# Allegro board BeagleBone_AI-64_Rev_B1_PCB_220602.brd (continued)
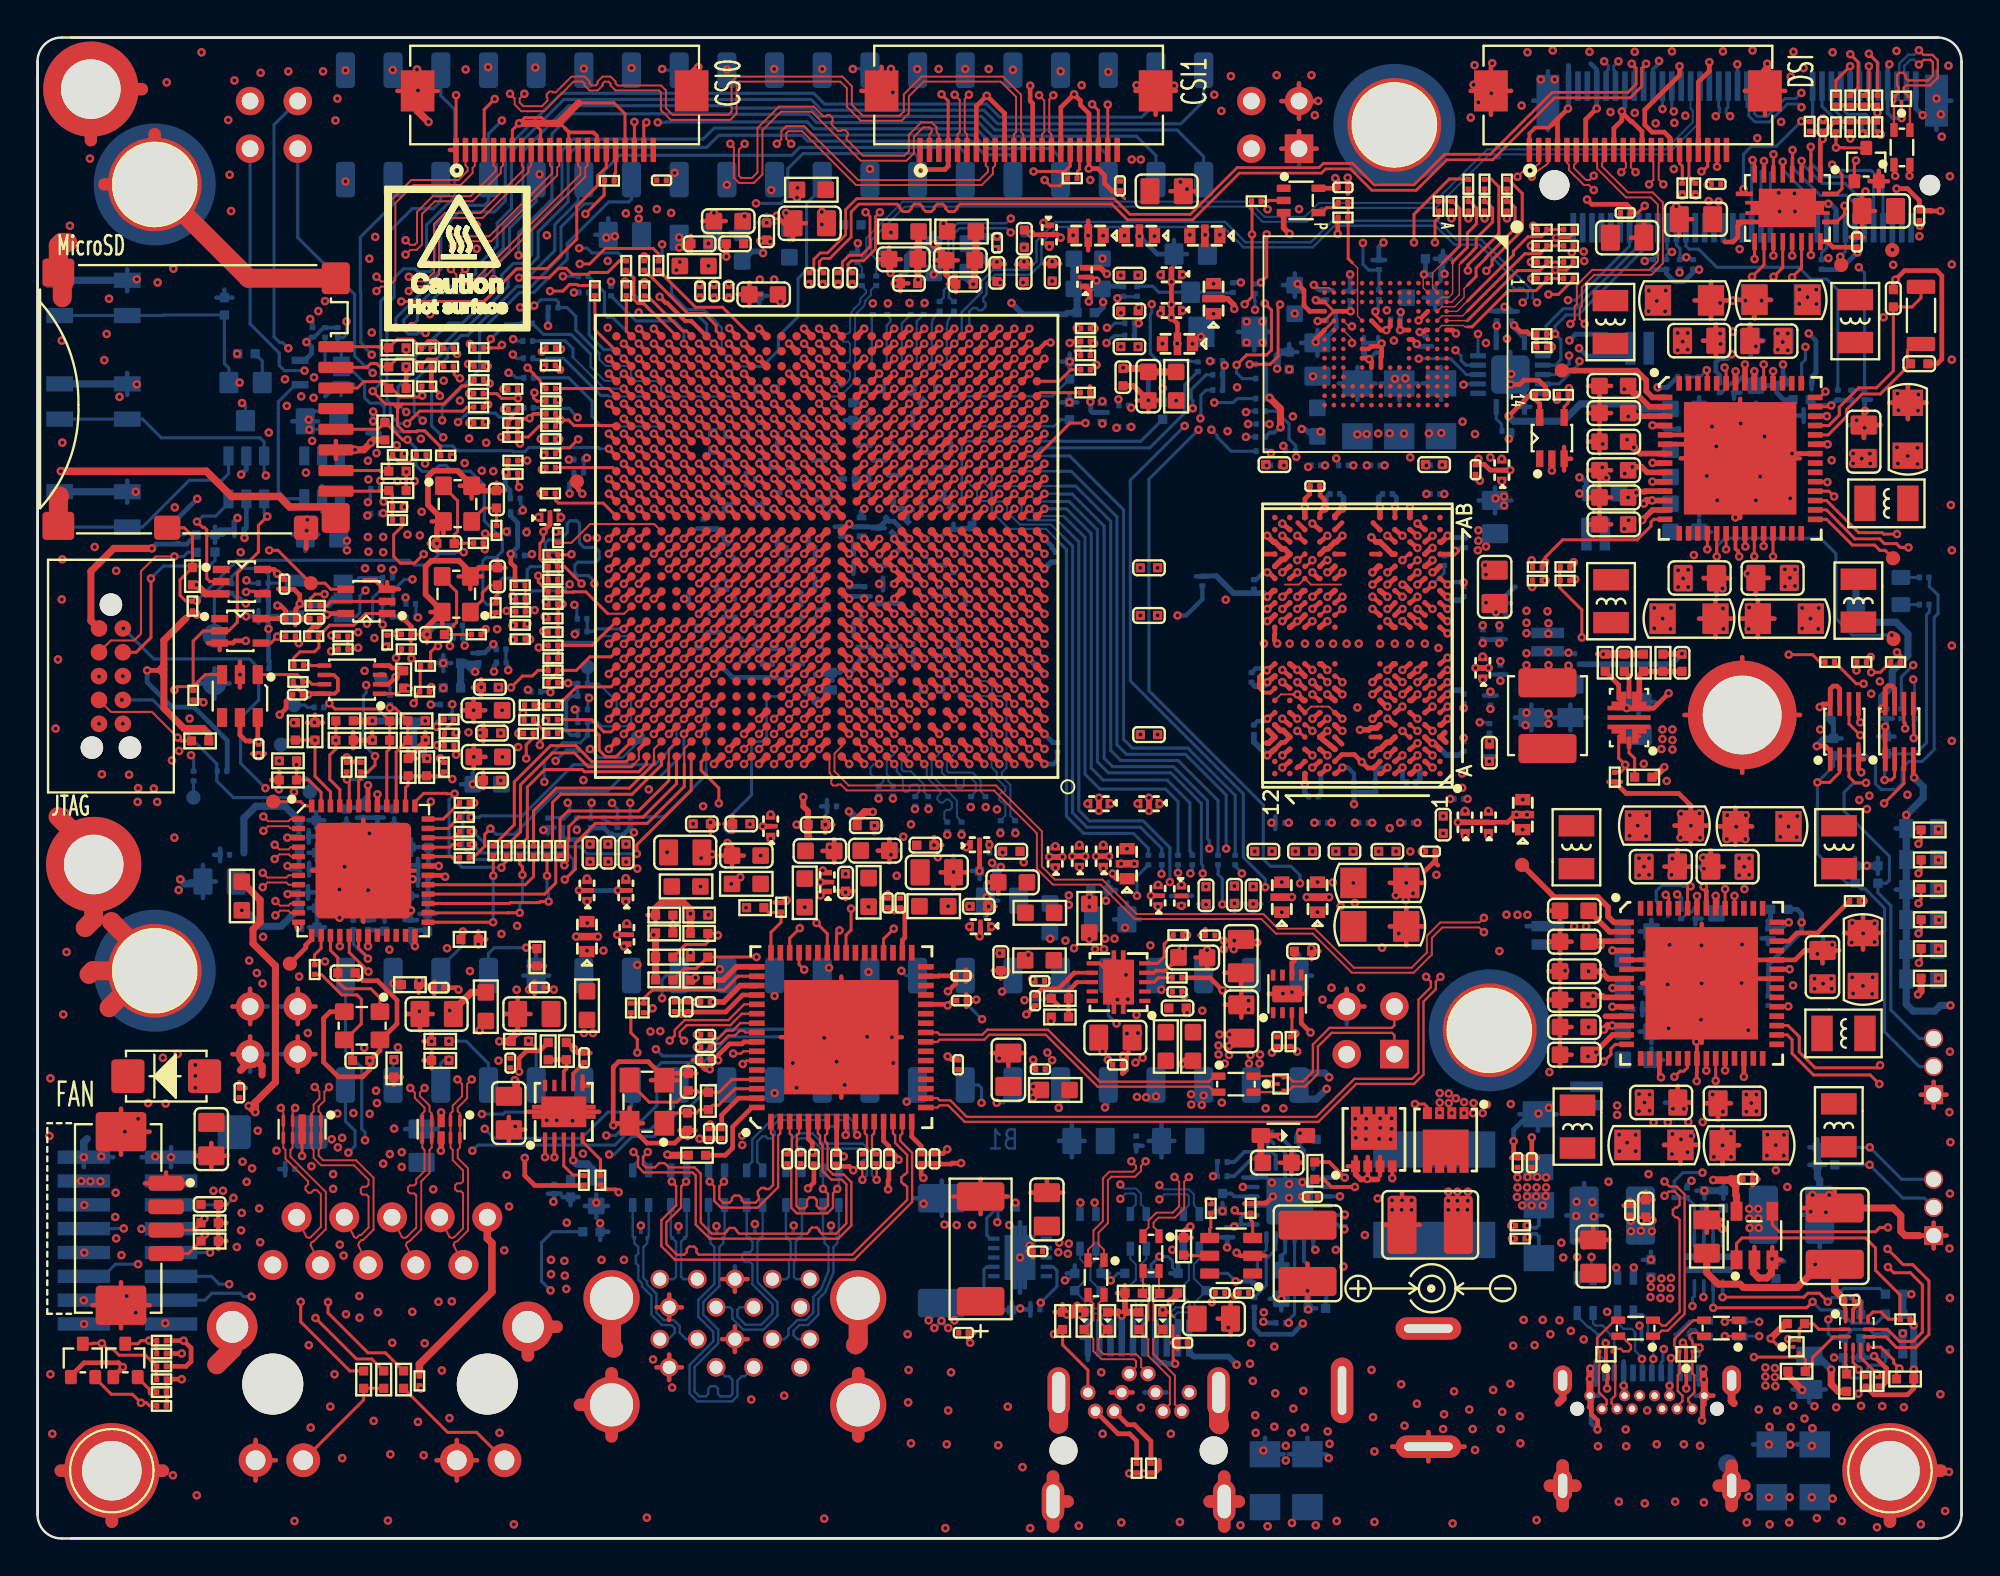
[diagram p0: board, top side]
## Copper pours and planes (outline as drawn; the poured copper is in the pictures) (continued)
GND on L7-PWR/GND: 7.29,41.24 3.2,41.24 2.56,41.88 2.56,52.67 3.38,53.48 3.38,66.79 4.54,67.96 8.38,67.96 10.11,69.69 10.11,77.82 10.79,78.5 20.93,78.5 21.05,78.38 21.05,78.02 7.95,64.91 7.95,41.9
GND on L7-PWR/GND: 9.24,26.59 3.12,26.59 1.7,25.16 1.7,10.63 2.08,10.25 7.59,10.25 8.35,11.01 8.35,12.44 8.86,12.95 10.64,12.95 11.3,13.61 11.3,16.17 10.01,17.47 10.01,25.82
GND on L7-PWR/GND: 81.2,55.77 50.9,55.77 50.26,55.13 50.26,44.75 51.94,43.07 81.51,43.07 82.14,43.7 82.14,54.83
GND on L8-PWR/GND: 64.59,4.61 65.38,3.83 78.61,3.83 79.35,4.56 79.35,8.86 80.03,9.54 82.04,9.54 82.45,9.14 82.45,5.05 82.93,4.56 88.49,4.56 89.05,5.12 89.05,8.75 89.84,9.54 90.98,9.54 91.39,9.14 91.39,4.92 91.87,4.44 94.97,4.44 95.48,4.94 95.48,5.99 96.26,6.77 101.01,6.77 101.88,7.64 101.88,9.74 101.32,10.3 65.23,10.3 64.59,9.67
GND on L8-PWR/GND: 74.24,57.45 73.23,57.45 68.86,53.08 43.71,53.08 41.45,50.82 41.45,37.2 42.09,36.57 49.99,36.57 63.96,50.54 75.41,50.54 76.02,51.15 76.02,55.67
GND on L8-PWR/GND: 101.29,79.57 102.18,78.68 102.18,72.58 101.9,72.31 91.03,72.31 90.85,72.48 90.85,74.62 87.98,77.49 79.35,77.49 77.21,75.35 76.12,75.35 75.74,75.73 75.74,78.93 76.38,79.57
GND on L8-PWR/GND: 50.54,18.33 27.4,18.33 26.87,17.8 26.87,16.02 28.32,14.57 45.46,14.57 46.1,13.94 46.1,3.52 46.53,3.09 52.4,3.09 52.83,3.52 52.83,9.16 53.26,9.59 55.14,9.59 58.11,6.62 59.61,6.62 60.86,7.87 60.86,10.58 56,15.43 53.44,15.43
GND on L8-PWR/GND: 68.02,72.61 41.86,72.61 37.39,77.08 17.68,77.08 15.72,75.12 11.53,75.12 10.87,75.78 10.87,77.74 11.5,78.38 67.97,78.38 68.58,77.77 68.58,73.17
GND on L8-PWR/GND: 3.12,26.59 1.7,25.16 1.7,10.63 2.08,10.25 6.07,10.25 6.58,10.76 6.58,12.41 10.01,15.84 10.01,17.62 10.82,18.43 12.67,18.43 13.92,19.68 13.92,26.25 13.66,26.51 13.23,26.51 12.27,27.47 12.27,28.59 11.71,29.15 9.88,29.15 7.31,26.59
GND on L9-PWR/GND: 76.5,79.57 101.29,79.57 102.18,78.68 102.18,7.79 101.06,6.67 96.77,6.67 96.37,7.08 96.37,12.39 94.16,14.6 92.48,14.6 92.33,14.75 92.33,17.11 92.89,17.67 97.86,17.67 100.3,20.11 100.3,26.94 101.45,28.08 101.45,33.01 99.24,35.22 95.81,35.22 95.15,35.88 95.15,45.86 96.31,47.03 96.31,50.74 94.16,52.9 91.44,52.9 91.08,53.26 91.08,56.63 91.82,57.37 97.1,57.37 99.39,59.66 99.39,69.66 95.93,73.12 76.1,73.12 75.69,73.52 75.69,78.76
GND on L9-PWR/GND: 10.06,77.72 10.06,69.26 8.74,67.94 4.32,67.94 3.58,67.2 3.58,51.27 3.91,50.94 15.57,50.94 15.95,51.32 15.95,67.73 25.37,77.16 60.73,77.16 62,75.89 68.78,75.89 68.91,76.01 68.91,78.12 68.58,78.45 10.79,78.45
GND on L11-GND: outline of 108 points within 1.7,2.81 102.21,79.59
GND on L13-GND: outline of 121 points within 1.7,2.81 102.21,79.59 ; 1 cut-out
GND_EARTH on TOP: outline of 96 points within 0.28,0.27 102.23,79.75
GND_EARTH on BOTTOM: 68.04,2.35 62.51,2.35 62.15,2 62.15,0.91 62.76,0.3 68.04,0.3 68.73,0.98 68.73,1.67
GND_EARTH on BOTTOM, L13-GND: outline of 82 points within 0.76,0.27 102.23,13.53
GND_EARTH on L2-GND: outline of 100 points within 0.28,0.27 102.23,79.75 ; 1 cut-out
GND_EARTH on L4-GND: outline of 100 points within 0.28,0.27 102.23,79.75 ; 1 cut-out
GND_EARTH on L6-GND: outline of 110 points within 0.28,0.27 102.23,79.75 ; 1 cut-out
GND_EARTH on L7-PWR/GND: 1.27,79.75 73.71,79.75 74.5,78.96 74.5,74.18 73.78,73.47 70.89,73.47 69.9,74.46 69.9,78.81 69.34,79.37 10.49,79.37 8.56,77.44 8.56,71.09 7.11,69.64 3.3,69.64 1.83,68.16 1.83,38.95 3.27,37.51 4.87,37.51 5.87,36.52 5.87,33.11 6.75,32.22 7.62,32.22 8.41,31.44 8.41,28.9 7.21,27.7 2.39,27.7 1.04,26.36 1.04,6.72 1.47,6.29 5.03,6.29 9.73,1.59 79.3,1.59 80.59,2.89 97.33,2.89 98.42,3.98 101.95,3.98 102.23,3.7 102.23,1.13 101.37,0.27 1.24,0.27 0.28,1.24 0.28,78.76 ; 1 cut-out
GND_EARTH on L8-PWR/GND: 1.27,79.75 73.71,79.75 74.5,78.96 74.5,74.18 73.78,73.47 70.89,73.47 69.9,74.46 69.9,78.81 69.34,79.37 10.49,79.37 8.56,77.44 8.56,71.09 7.11,69.64 3.3,69.64 1.83,68.16 1.83,38.95 3.27,37.51 4.87,37.51 5.87,36.52 5.87,33.11 6.75,32.22 7.62,32.22 8.41,31.44 8.41,28.9 7.21,27.7 2.39,27.7 1.04,26.36 1.04,6.72 1.47,6.29 5.03,6.29 9.73,1.59 79.3,1.59 80.59,2.89 97.18,2.89 98.27,3.98 101.95,3.98 102.23,3.7 102.23,1.13 101.37,0.27 1.24,0.27 0.28,1.24 0.28,78.76 ; 1 cut-out
GND_EARTH on L9-PWR/GND: 1.27,79.75 73.71,79.75 74.5,78.96 74.5,74.18 73.78,73.47 70.89,73.47 69.9,74.46 69.9,78.81 69.34,79.37 10.49,79.37 8.56,77.44 8.56,71.09 7.11,69.64 3.3,69.64 1.83,68.16 1.83,38.95 3.27,37.51 4.87,37.51 5.87,36.52 5.87,33.11 6.75,32.22 7.62,32.22 8.41,31.44 8.41,28.9 7.21,27.7 2.39,27.7 1.04,26.36 1.04,6.72 1.47,6.29 5.03,6.29 9.73,1.59 79.3,1.59 80.59,2.89 97.53,2.89 98.63,3.98 101.95,3.98 102.23,3.7 102.23,1.13 101.37,0.27 1.24,0.27 0.28,1.24 0.28,78.76 ; 1 cut-out
GND_EARTH on L11-GND: outline of 110 points within 0.28,0.27 102.23,79.75 ; 1 cut-out
V1V1_VDDUSB on TOP: 52.88,24.3 52.55,24.63 50.44,24.63 49.96,25.11 46.99,25.11 46.94,25.06 46.94,24.86 46.96,24.83 47.75,24.83 48.78,23.8 49.19,23.8 49.83,23.16 53.69,23.16 53.9,23.36 53.9,24.17 53.77,24.3
V1V1_VDDUSB on L3-SIGNAL: 53.29,23.11 53.29,24.15 49.1,28.34 49.1,29.15 48.84,29.4 48.05,29.4 46,27.35 40.79,27.35 38.99,25.54 38.99,24.12 37.26,22.39 37.26,20.82 38.25,19.83 46.05,19.83 47.6,21.38 51.56,21.38
V1V1_VDDUSB on L12-SIGNAL: 38.83,20.72 37.46,20.72 36.95,21.23 36.95,23.16 35.68,24.43 35.68,28.62 35.89,28.82 36.73,28.82 39.29,26.25 39.29,21.17
V3V3_DP0 on TOP: 62.63,14.37 61.64,14.37 61.19,13.91 61.19,12.49 61.14,12.44 61.14,9.8 60.96,9.62 60.96,7.61 61.16,7.41 61.52,7.41 61.77,7.66 61.77,9.06 62.15,9.44 62.15,11.83 62.84,12.51 62.84,14.16
V3V3_VDD33USB on TOP: 53.03,30.62 53.03,31.64 52.68,32 51.2,32 50.95,31.74 50.95,31.11 51.1,30.95 51.66,30.95 52.22,30.4 52.8,30.4
V3V3_VDD33USB on L10-SIGNAL: 45.79,32.83 45.79,32.45 42.19,28.85 34.44,28.85 33.93,28.34 33.93,25.47 35.61,23.79 35.61,21.56 37.03,20.13 50.39,20.13 50.82,20.57 50.82,26.41 53.08,28.67 53.08,31.21 52.53,31.77 48.82,31.77 46.84,33.75 45.57,33.75 45.41,33.6 45.41,33.21
VBUS_5V0_TYPEA on TOP: 49.45,11.6 49.17,11.32 49.17,10.76 49.07,10.66 47.29,10.66 47.01,10.94 47.01,13.15 47.27,13.4 51.56,13.4 51.69,13.28 51.69,11.88 51.41,11.6
VBUS_5V0_TYPEA on BOTTOM: 51.1,15.59 49.86,15.59 49.15,14.88 46.96,14.88 46.76,14.67 46.76,11.01 47.11,10.66 49.07,10.66 49.17,10.76 49.17,11.32 49.32,11.47 49.65,11.47 50.11,11.93 50.11,14.22 50.59,14.7 50.59,15.33 50.65,15.38 51.08,15.38 51.15,15.46 51.15,15.54
VBUS_5V0_TYPEA on L10-SIGNAL: 40.97,8.3 36.07,8.3 35.33,9.03 35.33,15.59 38.07,18.33 48.89,18.33 49.48,17.75 49.48,11.22 49.12,10.86 47.09,10.86 46.15,11.8 46.15,13.81 44.98,14.98 42.92,14.98 41.63,13.68 41.63,8.96
VDD1_LPDDR4_1V8_REG on TOP: 85.85,54.78 84.55,54.78 84.33,54.55 84.33,53.86 84.61,53.59 85.16,53.59 85.98,54.4 85.98,54.65
VDD1_LPDDR4_1V8_REG on BOTTOM: 85.62,54.5 83.49,54.5 83.26,54.27 83.26,52.75 83.49,52.52 84.2,52.52 85.72,54.04 85.72,54.4
VDD_1V1 on TOP: 55.45,23.33 55.45,24.63 53.92,26.15 53.64,26.15 53.57,26.08 53.57,24.78 53.8,24.55 54.38,24.55 54.56,24.38 54.56,23.31 54.68,23.18 55.29,23.18
VDD_1V1 on TOP: 56.46,29.25 55.42,29.25 55.29,29.13 55.29,26.84 57,25.14 57.25,25.14 57.38,25.26 57.38,25.82 57.05,26.15 57.05,27.45 56.49,28.01 56.49,28.69 56.44,28.74 55.88,28.74 55.85,28.77 55.85,29.02 55.88,29.05 56.44,29.05 56.49,29.1 56.49,29.23
VDD_1V1 on TOP: 30.33,26.74 30.33,27.45 29.84,27.93 29.08,27.93 28.85,27.7 28.85,26.74 29.06,26.53 30.12,26.53
VDD_1V1 on L3-SIGNAL: 56.89,26.2 53.67,26.2 53.44,25.98 53.44,25.04 53.85,24.63 53.85,22.57 51.97,20.69 47.8,20.69 46.38,19.27 37.97,19.27 30.02,27.22 28.83,27.22 28.65,27.04 28.65,23.69 35.43,16.91 49.55,16.91 50.39,17.75 53.06,17.75 56.56,21.25 56.56,24.5 57.25,25.19 57.25,25.85
VDD_2V5 on TOP: 60.25,25.85 58.65,25.85 58.29,25.49 58.29,25.16 58.52,24.93 60.27,24.93 60.45,25.11 60.45,25.65
VDD_2V5 on TOP: 27.05,23.87 26.49,23.87 25.8,23.18 24.56,23.18 24.31,23.44 24.31,24.86 24.64,25.19 27.46,25.19 27.63,25.01 27.63,23.89 27.58,23.84 27.46,23.84 27.43,23.87 27.43,24.45 27.4,24.48 27.15,24.48 27.13,24.45 27.13,23.94
VDD_2V5 on L3-SIGNAL: 59.03,25.85 58.32,25.85 57.96,25.49 57.96,24.43 57.15,23.61 57.15,21.25 53.26,17.36 50.85,17.36 49.93,16.45 34.87,16.45 26.13,25.19 25.58,25.19 24.94,24.55 24.51,24.55 22.81,22.85 14.68,22.85 14.32,22.5 12.75,22.5 11.91,23.33 11.1,23.33 10.72,22.95 10.72,22.19 13.18,19.73 26.03,19.73 30.78,14.98 56.39,14.98 60.35,18.94 60.35,24.53
VDD_ADC_1V8_3V3 on BOTTOM: 29.39,30.85 28.83,30.85 28.52,30.55 28.52,28.06 30.07,26.51 32.64,26.51 32.92,26.79 33.4,26.79 33.83,27.22 33.83,28.24 33.68,28.39 30.27,28.39 29.61,29.05 29.61,30.62
VDD_ADC_1V8_3V3 on BOTTOM: 81.99,57.04 81.76,56.81 81.76,55.44 81.94,55.26 82.93,55.26 83.11,55.44 83.11,56.73 82.8,57.04
VDD_ADC_1V8_3V3 on L8-PWR/GND: 81.76,56.58 82.04,56.86 82.6,56.86 86.82,52.65 86.82,42.79 80.54,36.52 71.3,36.52 59.94,25.16 32.94,25.16 32.22,25.89 32.22,27.33 32.23,27.35 32.23,29.07 33.83,30.67 55.55,30.67 67.08,42.21 78.53,42.21 84.3,47.97 84.3,51.86 81.76,54.4
VDD_ADC_1V8_3V3_REG on TOP: 85.7,56.13 84.58,56.13 84.35,55.9 84.35,55.31 84.55,55.11 85.14,55.11 85.72,55.69 85.85,55.69 85.9,55.74 85.9,55.92
VDD_ADC_1V8_3V3_REG on BOTTOM: 85.16,56.18 84.12,56.18 83.92,55.97 83.92,55.24 84.02,55.13 84.78,55.13 85.11,55.46 85.32,55.46 85.44,55.59 85.44,55.9
VDD_CORE_0V8 on TOP: 70.84,32.15 70.84,35.3 70.38,35.75 64.74,35.75 64.56,35.58 64.56,34.87 64.82,34.61 65.61,34.61 65.68,34.69 69.06,34.69 69.31,34.43 69.31,32.12 69.57,31.87 70.56,31.87
VDD_CORE_0V8 on TOP: 81.63,21.4 82.98,21.4 83.51,21.94 85.21,21.94 85.42,21.73 85.42,19.96 85.11,19.65 81.66,19.65 81.18,20.13 81.18,20.95
VDD_CORE_0V8 on TOP: 96.47,21.56 94.36,21.56 93.93,21.99 92.23,21.99 91.9,21.66 91.9,20.31 92.28,19.93 96.52,19.93 96.85,20.26 96.85,21.17
VDD_CORE_0V8 on TOP: 85.75,38.93 80.97,38.93 80.72,38.68 80.72,37.61 80.92,37.41 83.26,37.41 83.59,37.08 85.67,37.08 85.93,37.33 85.93,38.75
VDD_CORE_0V8 on TOP: 96.59,37.41 94.94,37.41 94.56,37.02 92.86,37.02 92.58,37.3 92.58,38.65 92.94,39.01 96.59,39.01 96.92,38.68 96.92,37.74
VDD_CORE_0V8 on BOTTOM: 70.36,36.16 68.07,36.16 67.74,35.83 67.74,34.97 67.99,34.71 68.93,34.71 69.26,34.38 69.26,32.12 69.54,31.84 70.46,31.84 70.76,32.15 70.76,35.75
VDD_CORE_0V8 on L5-SIGNAL: 84.53,37.2 85.21,36.52 93.88,36.52 94.23,36.87 94.23,39.67 93.77,40.12 85.16,40.12 84.53,39.49
VDD_CORE_0V8 on L7-PWR/GND: 43.69,55.72 40.76,58.64 40.76,70.88 40.99,71.11 40.99,71.92 40.64,72.28 37.67,72.28 33.68,68.29 33.68,60.44 37.39,56.73 37.39,52.42 37.56,52.24 38.73,52.24 39.01,51.96 39.01,49.11 39.85,48.28 41.7,48.28 41.83,48.4 41.83,48.56 41.93,48.66 42.67,48.66 43.58,47.74 43.58,37.68 40.43,34.54 40.43,33.06 41.5,32 81.89,32 83.69,33.8 83.69,36.36 84.25,36.92 93.88,36.92 94.16,37.2 94.16,40.15 93.34,40.96 84.35,40.96 82.8,42.51 52.02,42.51 49.91,44.62 49.91,54.32 48.51,55.72
VDD_CORE_0V8 on L10-SIGNAL: 94.31,19.3 85.11,19.3 84.07,20.34 84.07,25.87 84.81,26.61 94.33,26.61 95.02,25.92 95.02,20.01
VDD_CORE_0V8 on L12-SIGNAL: 89.28,21.89 89.28,23.92 88.59,24.6 88.59,33.19 84.66,37.13 84.66,39.51 85.01,39.87 93.62,39.87 97.33,36.16 97.33,19.22 97,18.89 87.88,18.89 87.27,19.5 85.01,19.5 84.1,20.41 84.1,21.61 84.35,21.86 85.65,21.86 85.88,21.63 89.02,21.63
VDD_CORE_0V8_REG_SW1 on TOP: 91.46,25.98 91.29,25.98 91.26,25.95 91.26,25.06 91.74,24.58 92.3,24.58 94.28,22.6 96.75,22.6 96.87,22.72 96.87,24.17 96.64,24.4 94.31,24.4 92.83,25.87 91.87,25.87 91.77,25.77 91.77,25.19 91.72,25.14 91.59,25.14 91.54,25.19 91.54,25.9
VDD_CORE_0V8_REG_SW2 on TOP: 85.39,25.9 84.45,25.9 83.28,24.73 81.4,24.73 81.05,24.38 81.05,22.8 81.3,22.55 82.95,22.55 84.99,24.58 85.55,24.58 86.05,25.09 86.05,25.92 86,25.98 85.77,25.98 85.75,25.95 85.75,25.19 85.7,25.14 85.57,25.14 85.55,25.16 85.55,25.75
VDD_CORE_0V8_REG_SW3 on TOP: 92.89,36.29 91.97,35.37 91.97,34.81 91.26,34.1 91.26,33.29 91.34,33.21 91.51,33.21 91.54,33.24 91.54,34 91.56,34.03 91.74,34.03 91.77,34 91.77,33.37 91.9,33.24 94.89,33.24 96.9,35.25 96.9,36.21 96.82,36.29
VDD_CORE_0V8_REG_SW4 on TOP: 86.03,33.27 86.03,34.23 85.88,34.38 85.16,34.38 84.48,35.07 84.48,35.73 83.94,36.26 81.07,36.26 81,36.19 81,34.87 81.1,34.76 83.06,34.76 84.61,33.21 85.47,33.21 85.55,33.29 85.55,33.98 85.57,34 85.75,34 85.77,33.98 85.77,33.27 85.82,33.21 85.98,33.21
VDD_CORE_RAM_0V85 on BOTTOM: 53.95,33.44 52.14,33.44 51.81,33.77 51.81,34.79 51.56,35.04 51.13,35.04 50.87,35.3 50.87,36.01 51,36.14 52.83,36.14 54.33,34.64 54.33,33.82
VDD_CORE_RAM_0V85 on L9-PWR/GND: 45.06,56.18 45.06,54.73 44.57,54.25 43.81,54.25 43.46,53.89 43.46,52.11 45.3,50.27 45.81,50.27 47.32,48.77 47.32,45.28 48.3,44.3 48.3,41.05 52.7,36.64 52.7,35.32 52.37,34.99 50.82,34.99 46,39.82 46,47.21 45.06,48.14 44.36,48.14 44.2,48.31 44.19,48.31 43.57,48.94 42.8,48.94 42.8,48.94 42.57,48.94 41.91,49.6 41.91,53.99 40.66,55.24 39.57,55.24 38.81,56 38.35,56 38.08,56.28 38.08,56.79 38.41,57.12 41.35,57.12 41.36,57.12 44.12,57.12
VDD_CPU_AVS on TOP: 60.04,64.84 60.04,67.78 60.17,67.91 60.68,67.91 60.86,67.73 60.86,64.89 61.26,64.48 61.26,63.59 61.62,63.24 62.81,63.24 63.32,63.75 63.32,65.29 63.07,65.55 62.1,65.55 61.87,65.78 61.87,66.44 62.08,66.64 63.14,66.64 63.62,67.12 63.62,69.46 63.32,69.77 57.78,69.77 57.43,69.41 57.43,68.32 56.69,67.58 56.69,66.87 56.59,66.77 55.62,66.77 55.5,66.64 55.5,65.29 55.88,64.91 57.38,64.91 57.55,64.74 57.55,63.24 57.68,63.11 59.89,63.11 60.2,63.42 60.2,64.69
VDD_CPU_AVS on TOP: 97.61,65.47 95.96,65.47 95.58,65.09 93.88,65.09 93.6,65.37 93.6,66.72 93.95,67.07 97.61,67.07 97.94,66.74 97.94,65.8
VDD_CPU_AVS on TOP: 83.13,49.42 84.99,49.42 85.6,50.03 87.07,50.03 87.25,49.85 87.25,48.2 87.07,48.02 83.21,48.02 82.9,48.33 82.9,49.19
VDD_CPU_AVS on TOP: 97.61,49.45 95.93,49.45 95.35,50.03 94.08,50.03 93.8,49.75 93.8,48.38 94.21,47.97 97.61,47.97 97.94,48.3 97.94,49.11
VDD_CPU_AVS on BOTTOM: 75.44,58 69.77,58 69.49,58.28 69.49,59.2 69.95,59.66 75.44,59.66 75.74,59.35 75.74,58.31
VDD_CPU_AVS on L5-SIGNAL: 46.4,50.54 44.24,50.54 43.84,50.94 43.84,55.34 44.24,55.74 44.57,55.74 45.54,56.71 47.78,56.71 47.98,56.51 47.98,52.59 47.65,52.26 46.94,52.26 46.66,51.99 46.66,50.79
VDD_CPU_AVS on L9-PWR/GND: 47.04,50.64 45.51,50.64 43.79,52.37 43.79,53.38 44.17,53.76 44.57,53.76 45.41,54.6 45.41,61.84 50.9,67.33 62.76,67.33 64.22,65.87 65.36,65.87 69.24,61.99 79.53,61.99 84.3,57.22 88.64,57.22 90.68,55.19 90.68,52.67 90.85,52.49 93.37,52.49 95.68,50.18 95.68,48.61 95.3,48.23 84.78,48.23 82.85,50.16 82.85,51.43 78.65,55.63 78.66,55.64 78.66,57.09 77.75,58 64.56,58 60.98,54.42 48.64,54.42 47.45,53.23 47.45,51.05
VDD_CPU_AVS on L12-SIGNAL: 95.04,48.07 86.23,48.07 85.88,48.43 85.88,49.7 88.67,52.49 91.11,52.49 91.34,52.72 91.34,53.28 90.4,54.22 90.4,64.25 93.17,67.02 95.37,67.02 95.86,66.54 95.86,48.89
VDD_CPU_AVS_REG_SW1 on TOP: 93.52,53.94 93.34,53.94 93.32,53.92 93.32,53.03 93.8,52.54 94.36,52.54 96.34,50.56 97.81,50.56 98.07,50.82 98.07,52.11 97.81,52.37 96.37,52.37 94.89,53.84 93.93,53.84 93.83,53.74 93.83,53.15 93.77,53.1 93.65,53.1 93.6,53.15 93.6,53.86
VDD_CPU_AVS_REG_SW2 on TOP: 87.45,53.92 86.51,53.92 85.34,52.75 83.46,52.75 82.83,52.11 82.83,50.74 83.03,50.54 84.99,50.54 87.04,52.59 87.6,52.59 88.11,53.1 88.11,53.94 88.06,53.99 87.83,53.99 87.81,53.97 87.81,53.2 87.75,53.15 87.63,53.15 87.6,53.18 87.6,53.76
VDD_CPU_AVS_REG_SW3 on TOP: 94.03,63.34 94.03,62.78 93.32,62.07 93.32,61.26 93.39,61.18 93.57,61.18 93.6,61.21 93.6,61.97 93.62,61.99 93.8,61.99 93.83,61.97 93.83,61.33 93.95,61.21 94.54,61.21 95.32,61.99 97.08,61.99 97.81,62.73 97.81,64.2 97.69,64.33 95.02,64.33
VDD_CPU_RAM_0V85 on BOTTOM: 56.31,32.35 55.67,32.35 55.37,32.66 55.37,34.61 55.57,34.81 56.18,34.81 56.36,34.64 56.36,34.03 56.69,33.7 56.69,32.73
VDD_CPU_RAM_0V85 on L10-SIGNAL: 46.02,49.62 44.19,49.62 43.86,49.29 43.86,42.56 53.26,33.16 56,33.16 56.36,33.52 56.36,34.26 46.45,44.16 46.45,49.19
VDD_DDR_1V1 on TOP: 76.3,36.29 60.2,36.29 58.85,34.94 57.43,34.94 56.89,35.48 55.24,35.48 54.99,35.73 54.99,38.22 53.13,40.07 53.13,41.62 53.34,41.83 53.77,41.83 53.9,41.95 53.9,52.54 53.06,53.38 53.06,53.74 53.24,53.92 60.2,53.92 64.16,57.88 78.74,57.88 79.4,57.22 79.4,52.75 79.2,52.54 79.2,50.41 79.4,50.21 80.59,50.21 81.05,49.75 81.05,48.2 80.74,47.9 79.02,47.9 78.46,47.34 78.46,40.35 78.76,40.05 79.86,40.05 80.31,39.59 80.31,37.46 79.65,36.8 76.81,36.8
VDD_DDR_1V1 on BOTTOM: 81.18,47.97 79.14,47.97 78.89,48.23 78.89,49.62 79.2,49.93 81.23,49.93 81.48,49.67 81.48,48.28
VDD_DDR_1V1 on L9-PWR/GND: 54.99,35.12 48.87,41.24 48.87,44.49 47.78,45.58 47.78,49.11 47.01,49.88 47.01,50.23 47.14,50.36 47.62,50.36 47.8,50.54 47.8,52.72 48.64,53.56 61.67,53.56 65.61,57.5 76.1,57.5 77.52,56.07 77.52,55.74 78.88,54.39 78.88,51.77 81.02,49.62 81.02,36.03 80.11,35.12
VDD_DDR_1V1_REG on TOP: 81.91,47.44 79.27,47.44 78.89,47.06 78.89,45.25 79.22,44.92 82.07,44.92 82.29,45.15 82.29,47.06
VDD_DDR_1V1_REG on BOTTOM: 79.3,47.49 81.96,47.49 82.32,47.13 82.32,45.28 82.12,45.08 79.14,45.08 78.86,45.36 78.86,47.06
VDD_DDR_1V8 on BOTTOM: 82.6,54.35 81.81,54.35 81.76,54.4 78.76,54.4 78.38,54.02 76.96,54.02 73.51,57.47 65.58,57.47 65.17,57.07 65.17,40.05 66.34,38.88 66.34,38.07 66.57,37.84 71.7,37.84 72.49,38.62 73.99,38.62 75.23,39.87 75.99,39.87 76.3,40.17 76.3,40.89 76.68,41.27 76.68,52.29 76.86,52.47 82.42,52.47 82.73,52.77 82.73,54.22
VDD_DDR_1V8 on L10-SIGNAL: 66.5,37.66 75.92,37.66 77.77,39.51 77.77,53.31 75.18,55.9 65.2,55.9 64.13,54.83 64.13,52.01 64.89,51.25 69.34,51.25 70.38,52.29 72.87,52.29 74.98,50.18 74.98,45.61 72.29,42.92 68.1,42.92 66.95,44.06 64.46,44.06 63.98,43.58 63.98,40.17
VDD_IO_1V8_REG on TOP: 83.49,29.35 82.45,29.35 82.22,29.13 82.22,28.49 82.42,28.29 83.31,28.29 83.72,28.69 83.72,29.13
VDD_IO_1V8_REG on BOTTOM: 83.16,28.57 83.16,29.3 82.19,30.27 82.19,31.69 81.99,31.89 79.78,31.89 79.63,31.74 79.63,30.29 81.02,28.9 81.02,28.36 81.33,28.06 82.65,28.06
VDD_MCU_0V85 on TOP: 31.29,35.6 29.28,35.6 29,35.32 29,35.02 29.13,34.89 31.47,34.89 31.57,34.99 31.57,35.32
VDD_MCU_0V85 on TOP: 29.39,36.77 31.37,36.77 31.52,36.92 31.52,37.51 31.32,37.71 29.64,37.71 29.18,37.25 29.18,36.97
VDD_MCU_0V85 on TOP: 31.39,34.15 29.21,34.15 28.85,33.8 28.85,32.88 29.13,32.6 31.65,32.6 31.82,32.78 31.82,33.72
VDD_MCU_0V85 on BOTTOM: 84.88,62.55 82.55,62.55 81.43,63.67 81.43,64.13 81.63,64.33 84.86,64.33 85.09,64.1 85.09,62.75
VDD_MCU_0V85 on L8-PWR/GND: 38.58,52.19 33.45,52.19 29.33,48.07 29.33,39.92 27.61,38.19 27.61,20.59 29.26,18.94 64.87,18.94 76.25,30.32 91.36,30.32 99.64,38.6 99.64,53.13 95.25,57.52 95.25,61.66 89.86,67.05 81.84,67.05 80.8,66.01 80.8,63.14 81.56,62.37 85.72,62.37 87.7,60.39 87.7,52.29 94.05,45.94 94.05,41.7 92.1,39.74 85.09,39.74 81.05,35.7 72.16,35.7 61.11,24.65 32.38,24.65 31.75,25.29 31.75,29.46 36.14,33.85 36.14,35.37 37.13,36.36 37.13,47.11 39.29,49.27 39.29,51.48
VDD_MCU_0V85_REG on TOP: 86.76,67 83.06,67 82.7,66.64 82.7,65.57 82.8,65.47 84.81,65.47 85.14,65.14 86.69,65.14 86.94,65.4 86.94,66.82
VDD_MCU_0V85_REG on BOTTOM: 86.84,66.74 85.77,66.74 85.65,66.62 85.65,62.65 85.77,62.53 86.41,62.53 86.64,62.75 86.64,64.89 86.97,65.22 86.97,66.62
VDD_MCU_0V85_REG_SW on TOP: 88.09,61.26 88.09,62.22 87.93,62.37 87.22,62.37 86.54,63.06 86.54,63.72 85.98,64.28 82.88,64.28 82.8,64.2 82.8,62.98 83.03,62.75 85.11,62.75 86.66,61.21 87.53,61.21 87.6,61.28 87.6,61.97 87.63,61.99 87.81,61.99 87.83,61.97 87.83,61.26 87.88,61.21 88.03,61.21
VDD_MCU_RAM_0V85 on TOP: 34.19,34.54 34.19,37.23 34.54,37.58 35.02,37.58 35.18,37.74 35.18,38.24 34.97,38.45 34.11,38.45 33.12,37.46 33.12,34.48 33.32,34.28 33.93,34.28
VDD_MCU_RAM_0V85 on L5-SIGNAL: 34.03,36.34 34.03,36.72 35.18,37.86 35.18,38.65 35.05,38.78 35.05,41.52 39.01,45.48 39.01,53.46 38.91,53.56 38.28,53.56 38.17,53.46 38.17,52.95 35.91,50.69 35.91,48.45 34.36,46.91 34.36,43.04 32.99,41.67 32.99,36.31 33.17,36.14 33.83,36.14
VDD_MMC1 on TOP: 17.98,60.49 15.62,60.49 15.52,60.39 15.52,60.06 15.64,59.94 17.32,59.94 17.47,59.78 17.47,59.5 17.63,59.35 18.18,59.35 18.36,59.53 18.36,60.11
VDD_MMC1 on BOTTOM: 15.97,57.24 16.89,57.24 17.27,57.62 17.27,57.9 17.24,57.93 17.24,59.12 17.45,59.33 18.08,59.33 18.21,59.45 18.21,60.16 18.03,60.34 15.92,60.34 15.54,59.96 15.54,58.82 15.47,58.74 15.11,58.74 14.91,58.54 14.91,57.34 15.03,57.22 15.29,57.22 15.42,57.34 15.42,58.18 15.47,58.23 15.82,58.23 15.9,58.16 15.9,57.32
VDD_PHYIO_1V8 on TOP: 100.33,58.36 98.8,58.36 98.63,58.18 98.63,56.89 99.16,56.35 99.16,54.32 99.31,54.17 100.53,54.17 100.68,54.32 100.68,58
VDD_PHYIO_1V8 on BOTTOM: 67.54,58.06 68.63,58.06 68.73,58.16 68.73,58.89 68.45,59.17 67.77,59.17 67.59,59.35 67.21,59.35 66.95,59.1 66.95,58.64
VDD_PHYIO_1V8 on L7-PWR/GND: 71.45,64.56 71.45,61.87 71.78,61.54 97.79,61.54 100.58,58.74 100.58,57.24 100.15,56.81 98.78,56.81 98.35,57.24 98.35,58.11 98.12,58.34 95.98,58.34 95.71,58.06 67.49,58.06 67.13,58.41 67.13,59.3 69.06,61.23 69.06,62.83 68.48,63.42 62.56,63.42 62.1,63.87 62.1,67.45 60.55,69 47.67,69 47.65,68.98 43.61,68.98 42.95,69.64 42.95,71.75 41.73,72.97 37.23,72.97 32.21,67.94 32.21,56.35 33.45,55.11 33.45,39.74 38.1,35.09 38.1,33.57 37.51,32.99 33.88,32.99 30.73,36.14 30.73,53.36 29.79,54.3 27.05,54.3 26.72,54.63 26.72,67.02 33.91,74.21 44.22,74.21 46.66,71.77 60.83,71.77 66.83,65.78 70.23,65.78
VDD_PHYIO_1V8 on L8-PWR/GND: 36.65,32.91 36.65,35.02 37.56,35.93 44.91,35.93 45.67,35.17 45.67,32.17 44.83,31.33 38.22,31.33
VDD_PHYIO_1V8_REG_SW on TOP: 96.19,56.96 94.38,56.96 94.33,56.91 94.33,56.73 94.38,56.68 95.37,56.68 95.76,56.3 95.76,55.97 96.37,55.36 96.37,54.73 96.82,54.27 97.71,54.27 97.89,54.45 97.89,56.3 97.78,56.42 96.73,56.42
VDD_RAM_0V85_REG on TOP: 97.94,30.12 96.42,30.12 96.24,29.94 96.24,28.64 96.77,28.11 96.77,26.08 96.92,25.92 98.14,25.92 98.3,26.08 98.3,29.76
VDD_RAM_0V85_REG on BOTTOM: 53.77,32.71 54.79,32.71 55.27,32.22 55.27,31.79 54.99,31.51 53.85,31.51 53.54,31.82 53.54,32.48
VDD_RAM_0V85_REG on L9-PWR/GND: 97.66,30.55 96.42,30.55 96.19,30.32 96.19,28.92 95.83,28.57 89.94,28.57 84.25,34.26 54.28,34.26 53.39,33.37 53.39,31.72 55.17,29.94 79.07,29.94 83.18,25.82 97.13,25.82 98.02,26.71 98.02,30.19
VDD_RAM_0V85_REG_SW on TOP: 94.13,28.97 92.33,28.97 92.28,28.92 92.28,28.74 92.33,28.69 93.32,28.69 93.7,28.31 93.7,27.98 94.1,27.58 94.1,26.13 94.28,25.95 95.32,25.95 95.6,26.23 95.6,27.5
VDD_SD_DV on BOTTOM: 81.86,23.33 84.3,23.33 84.45,23.18 84.45,22.47 84.3,22.32 81.86,22.32 81.63,22.55 81.63,23.11
VDD_SD_DV on L5-SIGNAL: 37.87,53.01 37.87,53.54 37.62,53.79 28.47,53.79 28.47,53.79 26.27,53.79 25.94,54.12 19.89,54.12 19.4,53.64 19.4,52.34 19.73,52.01 27.02,52.01 27.2,51.83 36.7,51.83
VDD_SD_DV on L7-PWR/GND: 29.97,53.64 26.97,53.64 26.13,52.8 26.13,34.71 33.93,26.92 61.57,26.92 62.13,27.47 63.7,27.47 63.83,27.35 65.68,27.35 72.87,20.16 84,20.16 84.66,20.82 84.66,23.05 84.38,23.33 73.86,23.33 67.46,29.73 36.17,29.73 30.17,35.73 30.17,53.43
VDD_SD_DV on L8-PWR/GND: 20.72,53.28 20.72,58.64 21.82,59.73 21.82,60.93 21.59,61.15 17.98,61.15 16.81,59.99 16.81,55.41 19.28,52.95 20.39,52.95
VDD_SD_DV_REG on TOP: 82.37,25.54 83.01,25.54 83.82,26.36 83.82,26.48 83.72,26.59 82.47,26.59 82.19,26.31 82.19,25.72
VDD_SD_DV_REG on BOTTOM: 83.44,26.53 82.14,26.53 81.68,26.08 81.68,24.2 81.99,23.89 83.11,23.89 83.39,24.17 83.39,25.72 83.59,25.92 83.59,26.38
VDDA_0P8_CSIRX on BOTTOM: 41.27,35.04 41.27,38.17 41.15,38.29 40.23,38.29 40.13,38.19 40.13,35.02 40.31,34.84 41.07,34.84
VDDA_0P8_CSIRX on L8-PWR/GND: 41.07,37.91 41.07,46.22 40.13,47.16 39.62,47.16 39.49,47.03 39.49,37.94 39.75,37.68 40.84,37.68
VDDA_0P8_DP on BOTTOM: 47.39,33.6 47.39,35.98 47.09,36.29 47.09,38.17 46.84,38.42 46.4,38.42 46.28,38.29 46.28,37.66 46.43,37.51 46.43,33.54 46.71,33.27 47.06,33.27
VDDA_0P8_DP on L5-SIGNAL: 46.51,37.84 46.45,37.84 44.98,39.31 44.98,45.48 44.6,45.86 44.6,47.82 44.73,47.95 45.39,47.95 46.12,47.21 46.12,41.24 48.08,39.29 48.08,38.22 47.62,37.76 46.58,37.76
VDDA_0P8_DP_C on TOP: 47.42,33.65 47.42,36.03 47.09,36.36 47.09,37.02 46.25,37.86 45.87,37.86 45.74,37.74 45.74,37.51 46.25,37 46.25,33.8 46.68,33.37 47.14,33.37
VDDA_0P8_DP_C on L5-SIGNAL: 44.7,45.3 44.35,45.66 44.35,46.96 44.12,47.18 43.41,47.18 42.97,46.75 42.97,41.65 42.39,41.06 42.39,38.22 43.81,36.8 46.3,36.8 46.48,36.97 46.48,37.41 44.7,39.18
VDDA_0P8_DSITX on TOP: 41.02,39.74 40.36,39.74 40.03,39.41 40.03,35.02 40.23,34.81 41.04,34.81 41.3,35.07 41.3,39.46
VDDA_0P8_DSITX on L5-SIGNAL: 42.62,41.7 42.62,47.97 42.37,48.23 40.76,48.23 40.51,47.97 40.51,47.36 41.37,46.5 41.37,43.3 40.28,42.21 40.28,38.68 40.54,38.42 41.37,38.42 41.68,38.73 41.68,40.76
VDDA_0P8_PLL_DDR on TOP: 52.25,32.59 52.99,32.59 53.13,32.73 53.13,34.59 53.13,34.59 53.13,35.12 53.13,37.02 52.98,37.18 52.42,37.18 52.09,36.85 52.09,32.74
VDDA_0P8_PLL_DDR on L5-SIGNAL: 52.73,35.78 50.8,35.78 48.61,37.96 48.61,39.49 47.06,41.04 47.06,51.1 47.19,51.22 48.46,51.22 48.59,51.1 48.59,41.29 49.54,40.34 49.54,40.11 52.93,36.72 52.93,35.98
VDDA_0P8_SERDES on TOP: 35.38,67.53 35.38,68.39 35.53,68.55 35.53,69.16 35.61,69.23 35.86,69.23 35.99,69.1 35.99,68.11 36.09,68.01 36.09,67.61 35.89,67.4 35.51,67.4
VDDA_0P8_SERDES on BOTTOM: 36.35,69.87 35.68,69.87 35.48,69.66 35.48,67.58 35.61,67.45 36.35,67.45 36.5,67.61 36.5,69.71
VDDA_0P8_SERDES on L8-PWR/GND: 44.42,57.14 45.08,57.8 45.08,62.88 44.04,63.92 36.57,63.92 36.24,64.25 36.24,69.03 35.99,69.28 29.16,69.28 27.89,68.01 27.89,58.08 28.83,57.14
VDDA_0P8_SERDES_C on TOP: 42.52,69.66 42.52,72.03 42.21,72.33 41.7,72.33 41.53,72.15 41.53,69.61 41.7,69.43 42.29,69.43
VDDA_0P8_SERDES_C on BOTTOM: 42.85,71.01 41.73,71.01 41.53,70.81 41.53,69.82 41.81,69.54 42.87,69.54 43.18,69.84 43.18,70.68
VDDA_0P8_SERDES_C on L5-SIGNAL: 45.06,58.59 41.4,58.59 41.17,58.82 41.17,59.1 41.81,59.73 41.81,65.19 40.79,66.21 40.79,70.7 41.07,70.98 43.61,70.98 44.98,69.61 44.98,59.58 45.24,59.33 45.24,58.77
VDDA_1P8_CSI_RX on TOP: 38.91,34.74 38.91,36.95 38.3,37.56 38.3,38.37 38.17,38.5 37.82,38.5 37.72,38.4 37.72,37.2 38.12,36.8 38.12,34.71 38.3,34.54 38.71,34.54
VDDA_1P8_CSI_RX on L5-SIGNAL: 37.72,36.64 37.72,42.64 39.47,44.39 39.47,46.02 39.85,46.4 40.92,46.4 41.15,46.17 41.15,43.83 38.94,41.62 38.94,36.36 38.76,36.19 38.17,36.19
VDDA_1P8_DP on TOP: 44.55,34.79 43.79,34.79 43.46,35.12 43.46,35.86 43.2,36.11 43.2,38.85 43.48,39.13 44.55,39.13 44.73,38.95 44.73,38.6 44.57,38.45 44.09,38.45 43.89,38.24 43.89,37.74 44.3,37.33 44.3,36.21 44.78,35.73 44.78,35.02
VDDA_1P8_DP on L9-PWR/GND: 45.74,47.11 44.42,47.11 44.07,46.75 44.07,38.6 44.27,38.4 44.88,38.4 45.44,38.95 45.44,46.17 45.87,46.6 45.87,46.98
VDDA_1P8_DSITX on BOTTOM: 44.5,34.89 43.61,34.89 43.43,35.07 43.43,35.88 43.18,36.14 43.18,37.91 42.95,38.14 42.95,38.4 42.49,38.85 42.49,39.29 42.62,39.41 43.74,39.41 43.89,39.26 43.89,37.74 44.27,37.35 44.27,36.14 44.73,35.68 44.73,35.12
VDDA_1P8_DSITX on L9-PWR/GND: 43.74,40.97 43.74,39.8 43.74,39.79 43.74,38.09 43.48,37.84 43.15,37.84 41.88,39.11 41.88,47.51 41.88,47.52 41.88,47.64 42.19,47.95 43.36,47.95 43.56,47.75 43.56,41.15
VDDA_1P8_SERDES on BOTTOM: 68.37,62.5 66.67,62.5 66.47,62.3 66.47,61.05 67.66,59.86 68.58,59.86 68.88,60.16 68.88,61.99
VDDA_1P8_SERDES on L7-PWR/GND: 41.45,60.7 43.2,62.45 55.55,62.45 58.09,59.91 61.31,59.91 64.13,62.73 67.94,62.73 68.4,62.27 68.4,61.36 66.25,59.21 66.25,57.92 64.84,56.51 43.94,56.51 41.45,59
VDDA_LM5141 on L12-SIGNAL: 68.2,15.08 64.72,15.08 63.32,16.48 63.32,18.3 64.06,19.04 65.5,19.04 68.58,15.97 68.58,15.46
(no net) on TOP: outline of 123 points within 1.7,2.81 102.21,79.59 ; 78 cut-outs
(no net) on BOTTOM: outline of 119 points within 1.7,2.81 102.21,79.59 ; 78 cut-outs
(no net) on L3-SIGNAL: outline of 106 points within 1.7,2.81 102.21,79.59 ; 92 cut-outs
(no net) on L5-SIGNAL: outline of 106 points within 1.7,2.81 102.21,79.59 ; 95 cut-outs
(no net) on L10-SIGNAL: outline of 110 points within 1.7,2.81 102.21,79.59 ; 91 cut-outs
(no net) on L12-SIGNAL: outline of 106 points within 1.7,2.81 102.21,79.59 ; 92 cut-outs
DC_VDD_5V on TOP: 86.94,14.82 87.25,14.52 87.25,12.64 86.92,12.31 83.89,12.31 81.05,9.47 79.22,9.47 78.64,8.88 72.26,8.88 71.88,9.26 71.88,11.6 72.13,11.85 77.67,11.85 78.55,12.73 78.55,14.28 79.09,14.82
